# KiCad board ciaa_acc.kicad_pcb (continued)
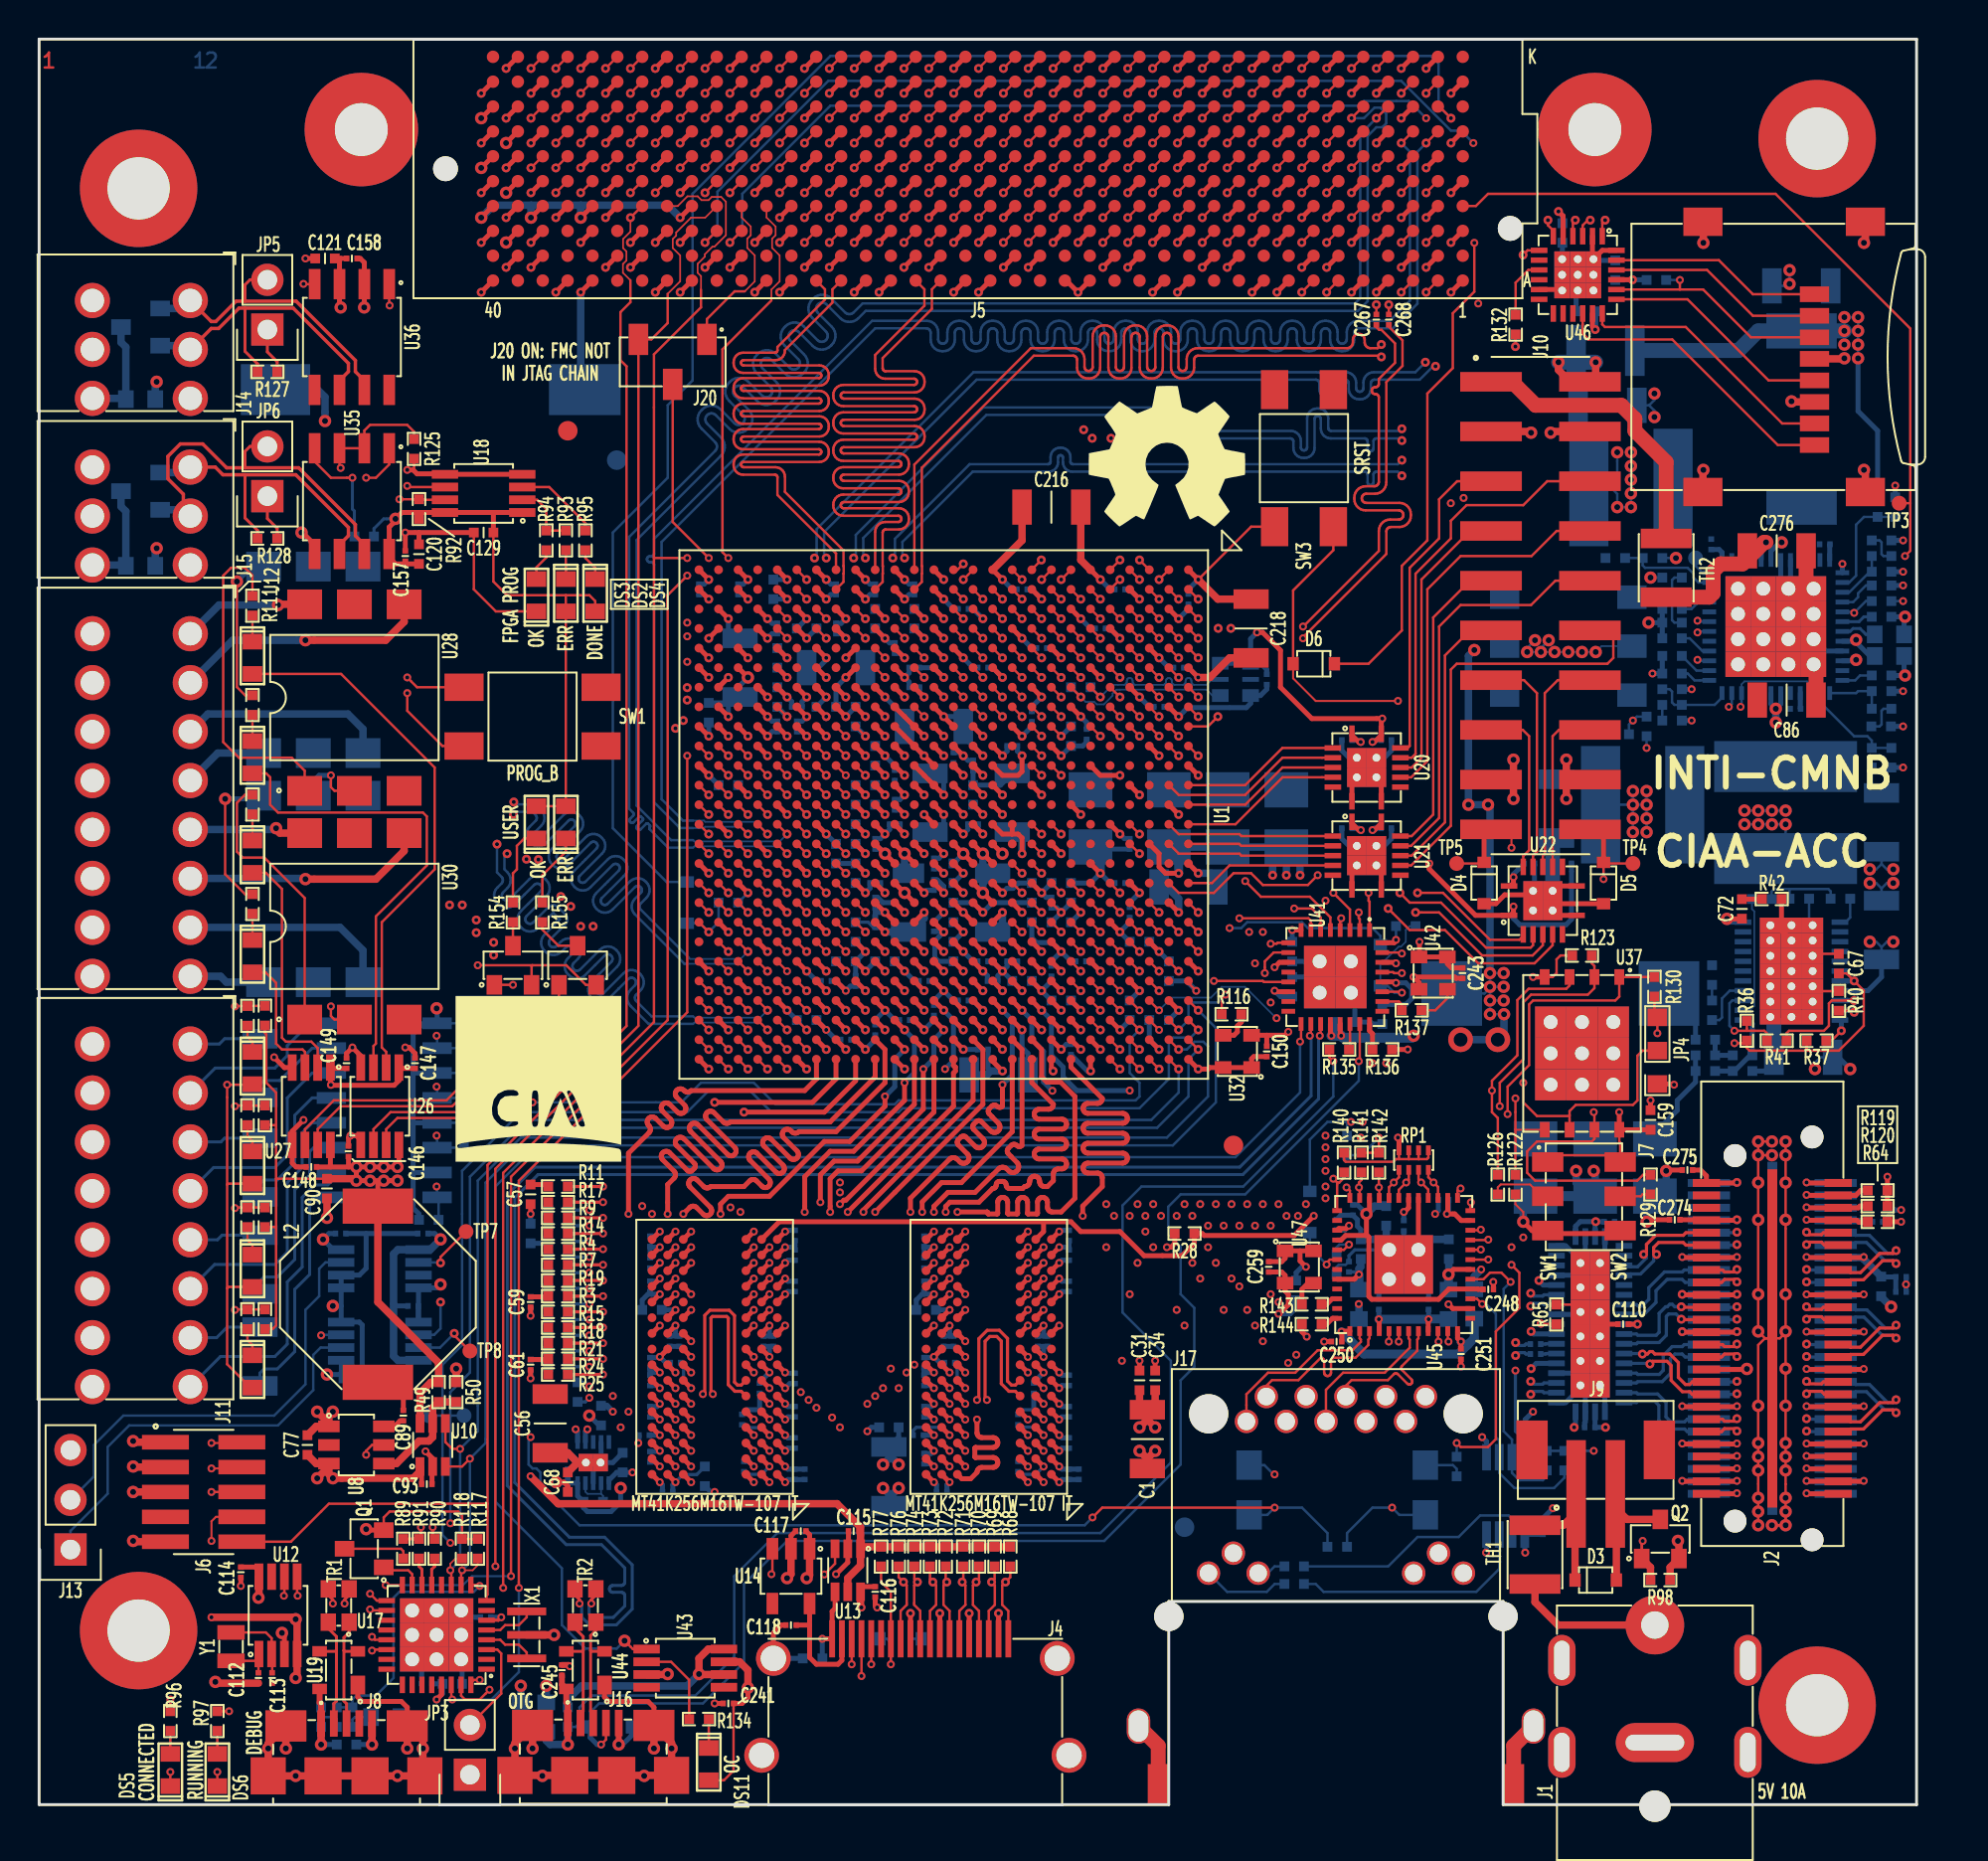
[diagram p0: board, top side]
## Routing (per net, layer and track width the routed paths; a pad name or vN(x,y) marks a point on that pad's centre or on a via; arc(x,y) is an arc through that point) (continued)
  L5.Sig w0.165: 32.5,29.67 47.1,29.67 ; 32.5,29.67 v1(32.5,29.27) ; 32.5,29.67 29.9,29.67 29.7,29.87 29.7,30.67 v1(28.8,31.57) ; 47.1,29.67 54.5,29.67 v1(54.9,30.07) ; 47.1,29.67 46.5,29.67 v1(46.5,29.27)
/Principal/BANK_502/DDR_A9: length 79.2
  TOP_L1.Sig w0.254: U3.R3 v1(36.5,28.47) ; U2.R3 v1(50.5,28.47) ; U1.U20 v2(43.2,43.57)
  L3.Sig w0.165: v2(43.2,43.57) 43.7,43.07 43.7,36.47 43.7,36.46 43.7,36.45 43.69,36.44 43.68,36.43 43.67,36.42 43.66,36.42 43.64,36.42 43.63,36.42 43.62,36.41 43.61,36.4 43.6,36.39 43.6,36.38 43.6,36.37 43.6,36.14 43.6,36.13 43.6,36.12 43.61,36.11 43.62,36.1 43.63,36.09 43.64,36.09 43.65,36.09 44.23,36.09 44.27,36.09 44.31,36.07 44.34,36.05 44.36,36.03 44.38,36 44.4,35.96 44.4,35.92 44.4,35.89 44.38,35.85 44.36,35.82 44.34,35.8 44.31,35.78 44.27,35.76 44.23,35.76 42.82,35.76 42.78,35.76 42.74,35.74 42.71,35.72 42.69,35.7 42.67,35.67 42.65,35.63 42.65,35.59 42.65,35.56 42.67,35.52 42.69,35.49 42.71,35.47 42.74,35.45 42.78,35.43 42.82,35.43 44.23,35.43 44.27,35.43 44.31,35.41 44.34,35.39 44.36,35.37 44.38,35.34 44.4,35.3 44.4,35.26 44.4,35.23 44.38,35.19 44.36,35.16 44.34,35.14 44.31,35.12 44.27,35.1 44.23,35.1 42.82,35.1 42.78,35.1 42.74,35.08 42.71,35.06 42.69,35.04 42.67,35.01 42.65,34.97 42.65,34.93 42.65,34.9 42.67,34.86 42.69,34.83 42.71,34.81 42.74,34.79 42.78,34.77 42.82,34.77 44.23,34.77 44.27,34.76 44.31,34.75 44.34,34.73 44.36,34.71 44.38,34.68 44.4,34.64 44.4,34.6 44.4,34.57 44.38,34.53 44.36,34.5 44.34,34.47 44.31,34.46 44.27,34.44 44.23,34.44 42.82,34.44 42.78,34.43 42.74,34.42 42.71,34.4 42.69,34.38 42.67,34.35 42.65,34.31 42.65,34.27 42.65,34.24 42.67,34.2 42.69,34.17 42.71,34.14 42.74,34.12 42.78,34.11 42.82,34.11 44.23,34.11 44.27,34.1 44.31,34.09 44.34,34.07 44.36,34.05 44.38,34.02 44.4,33.98 44.4,33.94 44.4,33.91 44.38,33.87 44.36,33.84 44.34,33.81 44.31,33.79 44.27,33.78 44.23,33.78 42.82,33.78 42.78,33.77 42.74,33.76 42.71,33.74 42.69,33.72 42.67,33.68 42.65,33.65 42.65,33.61 42.65,33.58 42.67,33.54 42.69,33.51 42.71,33.48 42.74,33.46 42.78,33.45 42.82,33.45 44.23,33.45 44.27,33.44 44.31,33.43 44.34,33.41 44.36,33.39 44.38,33.35 44.4,33.32 44.4,33.28 44.4,33.25 44.38,33.21 44.36,33.18 44.34,33.15 44.31,33.13 44.27,33.12 44.23,33.12 42.82,33.12 42.78,33.11 42.74,33.1 42.71,33.08 42.69,33.06 42.67,33.02 42.65,32.99 42.65,32.95 42.65,32.92 42.67,32.88 42.69,32.85 42.71,32.82 42.74,32.8 42.78,32.79 42.82,32.79 44.23,32.79 44.27,32.78 44.31,32.77 44.34,32.75 44.36,32.73 44.38,32.69 44.4,32.66 44.4,32.62 44.4,32.59 44.38,32.55 44.36,32.52 44.34,32.49 44.31,32.47 44.27,32.46 44.23,32.46 42.82,32.46 42.78,32.45 42.74,32.44 42.71,32.42 42.69,32.4 42.67,32.36 42.65,32.33 42.65,32.29 42.65,32.26 42.67,32.22 42.69,32.19 42.71,32.16 42.74,32.14 42.78,32.13 42.82,32.13 44.23,32.13 44.27,32.12 44.31,32.11 44.34,32.09 44.36,32.07 44.38,32.03 44.4,32 44.4,31.96 44.4,31.93 44.38,31.89 44.36,31.86 44.34,31.83 44.31,31.81 44.27,31.8 44.23,31.8 42.82,31.8 42.78,31.79 42.74,31.78 42.71,31.76 42.69,31.74 42.67,31.7 42.65,31.67 42.65,31.63 42.65,31.6 42.67,31.56 42.69,31.53 42.71,31.5 42.74,31.48 42.78,31.47 42.82,31.47 43.53,31.47 43.57,31.46 43.61,31.45 43.64,31.43 43.66,31.4 43.68,31.37 43.7,31.34 43.7,31.3 43.7,31.07 44.1,30.67 v1(54.5,30.67)
  L8.Sig w0.165: 50.9,28.07 36.5,28.07 ; 50.9,28.07 50.5,28.07 v1(50.5,28.47) ; 50.9,28.07 54.1,28.07 v1(54.5,28.47) ; 36.5,28.07 v1(36.5,28.47) ; 36.5,28.07 29.9,28.07 29.8,27.97 v1(28.1,27.97)
  L10.Sig w0.165: v1(54.5,30.67) v1(54.5,28.47)
  BOT_L12.Sig w0.165: R12.2 v1(28.1,27.97)
/Principal/BANK_502/DDR_A10: length 76.5
  TOP_L1.Sig w0.254: U3.L7 v1(33.3,25.27) ; U2.L7 v1(47.3,25.27) ; U1.M22 v2(48.2,41.57)
  L3.Sig w0.165: 47.8,24.87 47.3,24.87 v1(47.3,25.27) ; 47.8,24.87 33.3,24.87 ; 47.8,24.87 60.1,24.87 v1(60.5,25.27) ; 33.3,24.87 v1(33.3,25.27) ; 33.3,24.87 30.3,24.87 29.4,23.97 v1(28.1,23.97)
  L8.Sig w0.165: v1(60.5,29.57) 60.5,34.97 60.2,35.27 59.5,35.27 59.46,35.28 59.41,35.29 59.38,35.31 59.34,35.35 59.32,35.38 59.31,35.43 59.3,35.47 59.3,35.55 59.29,35.59 59.28,35.63 59.26,35.67 59.22,35.7 59.19,35.73 59.14,35.74 59.1,35.75 59.06,35.74 59.01,35.73 58.98,35.7 58.94,35.67 58.92,35.63 58.91,35.59 58.9,35.55 58.9,34.99 58.89,34.95 58.88,34.91 58.86,34.87 58.82,34.84 58.79,34.81 58.74,34.8 58.7,34.79 58.66,34.8 58.61,34.81 58.58,34.84 58.54,34.87 58.52,34.91 58.51,34.95 58.5,34.99 58.5,35.55 58.49,35.59 58.48,35.63 58.46,35.67 58.42,35.7 58.39,35.73 58.34,35.74 58.3,35.75 58.26,35.74 58.21,35.73 58.18,35.7 58.14,35.67 58.12,35.63 58.11,35.59 58.1,35.55 58.1,34.99 58.09,34.95 58.08,34.91 58.06,34.87 58.02,34.84 57.99,34.81 57.94,34.8 57.9,34.79 57.86,34.8 57.81,34.81 57.78,34.84 57.74,34.87 57.72,34.91 57.71,34.95 57.7,34.99 57.7,35.55 57.69,35.59 57.68,35.63 57.66,35.67 57.62,35.7 57.59,35.73 57.54,35.74 57.5,35.75 57.46,35.74 57.41,35.73 57.38,35.7 57.34,35.67 57.32,35.63 57.31,35.59 57.3,35.55 57.3,35.08 57.3,35.04 57.28,35 57.26,34.96 57.23,34.93 57.19,34.91 57.15,34.9 57.11,34.89 57.09,34.89 57.05,34.9 57.01,34.91 56.97,34.93 56.94,34.96 56.92,35 56.9,35.04 56.9,35.08 56.9,35.55 56.89,35.59 56.88,35.63 56.86,35.67 56.82,35.7 56.79,35.73 56.74,35.74 56.7,35.75 56.66,35.74 56.61,35.73 56.58,35.7 56.54,35.67 56.52,35.63 56.51,35.59 56.5,35.55 56.5,35.47 56.49,35.43 56.48,35.38 56.46,35.35 56.42,35.31 56.39,35.29 56.34,35.28 56.3,35.27 56.26,35.28 56.21,35.29 56.18,35.31 56.14,35.35 56.12,35.38 56.11,35.43 56.1,35.47 56.1,35.55 56.09,35.59 56.08,35.63 56.06,35.67 56.02,35.7 55.99,35.73 55.94,35.74 55.9,35.75 55.86,35.74 55.81,35.73 55.78,35.7 55.74,35.67 55.72,35.63 55.71,35.59 55.7,35.55 55.7,35.47 55.69,35.43 55.68,35.38 55.66,35.35 55.62,35.31 55.59,35.29 55.54,35.28 55.5,35.27 55.46,35.28 55.41,35.29 55.38,35.31 55.34,35.35 55.32,35.38 55.31,35.43 55.3,35.47 55.3,35.55 55.29,35.59 55.28,35.63 55.26,35.67 55.22,35.7 55.19,35.73 55.14,35.74 55.1,35.75 55.06,35.74 55.01,35.73 54.98,35.7 54.94,35.67 54.92,35.63 54.91,35.59 54.9,35.55 54.9,35.47 54.89,35.43 54.88,35.38 54.86,35.35 54.82,35.31 54.79,35.29 54.74,35.28 54.7,35.27 54.66,35.28 54.61,35.29 54.58,35.31 54.54,35.35 54.52,35.38 54.51,35.43 54.5,35.47 54.5,35.55 54.49,35.59 54.48,35.63 54.46,35.67 54.42,35.7 54.39,35.73 54.34,35.74 54.3,35.75 54.26,35.74 54.21,35.73 54.18,35.7 54.14,35.67 54.12,35.63 54.11,35.59 54.1,35.55 54.1,35.47 54.09,35.43 54.08,35.38 54.06,35.35 54.02,35.31 53.99,35.29 53.94,35.28 53.9,35.27 53.86,35.28 53.81,35.29 53.78,35.31 53.74,35.35 53.72,35.38 53.71,35.43 53.7,35.47 53.7,35.55 53.69,35.59 53.68,35.63 53.66,35.67 53.62,35.7 53.59,35.73 53.54,35.74 53.5,35.75 53.46,35.74 53.41,35.73 53.38,35.7 53.34,35.67 53.32,35.63 53.31,35.59 53.3,35.55 53.3,35.47 53.29,35.43 53.28,35.38 53.26,35.35 53.22,35.31 53.19,35.29 53.14,35.28 53.1,35.27 53.06,35.28 53.01,35.29 52.98,35.31 52.94,35.35 52.92,35.38 52.91,35.43 52.9,35.47 52.9,35.55 52.89,35.59 52.88,35.63 52.86,35.67 52.82,35.7 52.79,35.73 52.74,35.74 52.7,35.75 52.66,35.74 52.61,35.73 52.58,35.7 52.54,35.67 52.52,35.63 52.51,35.59 52.5,35.55 52.5,35.47 52.49,35.43 52.48,35.38 52.46,35.35 52.42,35.31 52.39,35.29 52.34,35.28 52.3,35.27 52.26,35.28 52.21,35.29 52.18,35.31 52.14,35.35 52.12,35.38 52.11,35.43 52.1,35.47 52.1,35.55 52.09,35.59 52.08,35.63 52.06,35.67 52.02,35.7 51.99,35.73 51.94,35.74 51.9,35.75 51.86,35.74 51.81,35.73 51.78,35.7 51.74,35.67 51.72,35.63 51.71,35.59 51.7,35.55 51.7,35.47 51.69,35.43 51.68,35.38 51.66,35.35 51.62,35.31 51.59,35.29 51.54,35.28 51.5,35.27 51.46,35.28 51.41,35.29 51.38,35.31 51.34,35.35 51.32,35.38 51.31,35.43 51.3,35.47 51.3,35.55 51.29,35.59 51.28,35.63 51.26,35.67 51.22,35.7 51.19,35.73 51.14,35.74 51.1,35.75 51.06,35.74 51.01,35.73 50.98,35.7 50.94,35.67 50.92,35.63 50.91,35.59 50.9,35.55 50.9,35.47 50.89,35.43 50.88,35.38 50.86,35.35 50.82,35.31 50.79,35.29 50.74,35.28 50.7,35.27 50.66,35.28 50.61,35.29 50.58,35.31 50.54,35.35 50.52,35.38 50.51,35.43 50.5,35.47 50.5,35.55 50.49,35.59 50.48,35.63 50.46,35.67 50.42,35.7 50.39,35.73 50.34,35.74 50.3,35.75 50.26,35.74 50.21,35.73 50.18,35.7 50.14,35.67 50.12,35.63 50.11,35.59 50.1,35.55 50.1,35.47 50.09,35.43 50.08,35.38 50.06,35.35 50.02,35.31 49.99,35.29 49.94,35.28 49.9,35.27 49.86,35.28 49.81,35.29 49.78,35.31 49.74,35.35 49.72,35.38 49.71,35.43 49.7,35.47 49.7,35.95 49.69,35.99 49.68,36.03 49.66,36.07 49.62,36.1 49.59,36.13 49.54,36.14 49.5,36.15 49.46,36.14 49.41,36.13 49.38,36.1 49.34,36.07 49.32,36.03 49.31,35.99 49.3,35.95 49.3,35.47 49.29,35.43 49.28,35.38 49.26,35.35 49.22,35.31 49.19,35.29 49.14,35.28 49.1,35.27 48.7,35.67 48.7,41.07 v2(48.2,41.57)
  L10.Sig w0.165: v1(60.5,29.57) v1(60.5,25.27)
  BOT_L12.Sig w0.165: R13.2 v1(28.1,23.97)
/Principal/BANK_502/DDR_A11: length 76.2
  TOP_L1.Sig w0.165: v1(28.8,29.17) R14.2
  TOP_L1.Sig w0.254: U3.R7 v1(33.3,28.47) ; U1.H21 v2(52.2,42.57) ; U2.R7 v1(47.3,28.47)
  L3.Sig w0.165: 47.9,28.87 33.3,28.87 ; 47.9,28.87 47.3,28.87 v1(47.3,28.47) ; 47.9,28.87 57.3,28.87 57.7,29.27 57.7,30.67 58.2,31.17 62.4,31.17 63.3,32.07 63.3,32.57 63.3,32.6 63.28,32.64 63.26,32.67 63.24,32.7 63.21,32.72 63.17,32.73 63.13,32.73 62.66,32.73 62.62,32.74 62.59,32.75 62.55,32.77 62.53,32.8 62.51,32.83 62.5,32.86 62.49,32.9 62.5,32.93 62.51,32.97 62.53,33 62.55,33.03 62.59,33.05 62.62,33.06 62.66,33.06 63.94,33.06 63.98,33.07 64.01,33.08 64.05,33.1 64.07,33.13 64.09,33.16 64.1,33.19 64.11,33.23 64.1,33.27 64.09,33.3 64.07,33.33 64.05,33.36 64.01,33.38 63.98,33.39 63.94,33.39 62.66,33.39 62.62,33.4 62.59,33.41 62.55,33.43 62.53,33.46 62.51,33.49 62.5,33.52 62.49,33.56 62.5,33.6 62.51,33.63 62.53,33.66 62.55,33.69 62.59,33.71 62.62,33.72 62.66,33.72 63.94,33.72 63.98,33.73 64.01,33.74 64.05,33.76 64.07,33.79 64.09,33.82 64.1,33.85 64.11,33.89 64.1,33.93 64.09,33.96 64.07,33.99 64.05,34.02 64.01,34.04 63.98,34.05 63.94,34.05 62.66,34.05 62.62,34.06 62.59,34.07 62.55,34.09 62.53,34.12 62.51,34.15 62.5,34.18 62.49,34.22 62.5,34.26 62.51,34.29 62.53,34.32 62.55,34.35 62.59,34.37 62.62,34.38 62.66,34.38 63.94,34.38 63.98,34.39 64.01,34.4 64.05,34.42 64.07,34.45 64.09,34.48 64.1,34.51 64.11,34.55 64.1,34.59 64.09,34.62 64.07,34.65 64.05,34.68 64.01,34.7 63.98,34.71 63.94,34.71 62.66,34.71 62.62,34.72 62.59,34.73 62.55,34.75 62.53,34.78 62.51,34.81 62.5,34.84 62.49,34.88 62.5,34.92 62.51,34.95 62.53,34.98 62.55,35.01 62.59,35.03 62.62,35.04 62.66,35.04 63.94,35.04 63.98,35.05 64.01,35.06 64.05,35.08 64.07,35.11 64.09,35.14 64.1,35.17 64.11,35.21 64.1,35.25 64.09,35.28 64.07,35.31 64.05,35.34 64.01,35.36 63.98,35.37 63.94,35.37 62.66,35.37 62.62,35.38 62.59,35.39 62.55,35.41 62.53,35.44 62.51,35.47 62.5,35.5 62.49,35.54 62.5,35.58 62.51,35.61 62.53,35.64 62.55,35.67 62.59,35.69 62.62,35.7 62.66,35.7 63.13,35.7 63.17,35.71 63.21,35.72 63.24,35.74 63.26,35.77 63.28,35.8 63.3,35.83 63.3,35.87 63.3,35.97 62.4,36.87 52.5,36.87 52.3,37.07 52.3,37.77 51.7,38.37 51.7,42.07 v2(52.2,42.57) ; 33.3,28.87 29.9,28.87 29.6,29.17 v1(28.8,29.17) ; 33.3,28.87 v1(33.3,28.47)
/Principal/BANK_502/DDR_A12: length 76.4
  TOP_L1.Sig w0.165: R15.2 v1(28.8,25.17)
  TOP_L1.Sig w0.254: U1.P20 v2(46.2,43.57) ; U2.N7 v1(47.3,26.07) ; U3.N7 v1(33.3,26.07)
  L3.Sig w0.165: 33.3,25.67 30.1,25.67 29.6,25.17 v1(28.8,25.17) ; 33.3,25.67 47.9,25.67 ; 33.3,25.67 v1(33.3,26.07) ; 47.9,25.67 47.3,25.67 v1(47.3,26.07) ; 47.9,25.67 52.9,25.67 52.94,25.68 52.99,25.69 53.02,25.71 53.06,25.75 53.08,25.78 53.09,25.83 53.1,25.87 53.1,25.94 53.11,25.98 53.12,26.02 53.14,26.06 53.18,26.09 53.21,26.12 53.26,26.13 53.3,26.14 53.34,26.13 53.39,26.12 53.42,26.09 53.46,26.06 53.48,26.02 53.49,25.98 53.5,25.94 53.5,25.4 53.51,25.36 53.52,25.32 53.54,25.28 53.58,25.25 53.61,25.22 53.66,25.21 53.7,25.2 53.74,25.21 53.79,25.22 53.82,25.25 53.86,25.28 53.88,25.32 53.89,25.36 53.9,25.4 53.9,25.94 53.91,25.98 53.92,26.02 53.94,26.06 53.98,26.09 54.01,26.12 54.06,26.13 54.1,26.14 54.14,26.13 54.19,26.12 54.22,26.09 54.26,26.06 54.28,26.02 54.29,25.98 54.3,25.94 54.3,25.4 54.31,25.36 54.32,25.32 54.34,25.28 54.38,25.25 54.41,25.22 54.46,25.21 54.5,25.2 54.54,25.21 54.59,25.22 54.62,25.25 54.66,25.28 54.68,25.32 54.69,25.36 54.7,25.4 54.7,25.94 54.71,25.98 54.72,26.02 54.74,26.06 54.78,26.09 54.81,26.12 54.86,26.13 54.9,26.14 54.94,26.13 54.99,26.12 55.02,26.09 55.06,26.06 55.08,26.02 55.09,25.98 55.1,25.94 55.1,25.87 55.11,25.83 55.12,25.78 55.14,25.75 55.18,25.71 55.21,25.69 55.26,25.68 55.3,25.67 v1(55.7,26.07) ; v1(55.7,30.07) 55.7,32.68 55.51,32.87 55.05,32.87 55.03,32.87 55.02,32.86 55,32.85 54.99,32.84 54.98,32.83 54.98,32.81 54.97,32.78 54.97,32.76 54.96,32.75 54.95,32.74 54.93,32.73 54.92,32.72 54.9,32.72 54.7,32.72 54.68,32.72 54.67,32.73 54.65,32.74 54.64,32.75 54.63,32.76 54.63,32.78 54.62,32.8 54.62,33.2 54.62,33.23 54.61,33.27 54.59,33.3 54.56,33.33 54.53,33.35 54.49,33.37 54.45,33.37 54.41,33.37 54.37,33.35 54.34,33.33 54.31,33.3 54.29,33.27 54.28,33.23 54.28,33.2 54.28,33.05 54.27,33.01 54.26,32.97 54.24,32.94 54.21,32.91 54.18,32.89 54.14,32.87 54.1,32.87 54.06,32.87 54.02,32.89 53.99,32.91 53.96,32.94 53.94,32.97 53.93,33.01 53.92,33.05 53.92,33.2 53.92,33.23 53.91,33.27 53.89,33.3 53.86,33.33 53.83,33.35 53.79,33.37 53.75,33.37 53.71,33.37 53.67,33.35 53.64,33.33 53.61,33.3 53.59,33.27 53.58,33.23 53.58,33.2 53.58,33.05 53.57,33.01 53.56,32.97 53.54,32.94 53.51,32.91 53.48,32.89 53.44,32.87 53.4,32.87 53.36,32.87 53.32,32.89 53.29,32.91 53.26,32.94 53.24,32.97 53.23,33.01 53.22,33.05 53.22,33.2 53.22,33.23 53.21,33.27 53.19,33.3 53.16,33.33 53.13,33.35 53.09,33.37 53.05,33.37 53.01,33.37 52.97,33.35 52.94,33.33 52.91,33.3 52.89,33.27 52.88,33.23 52.88,33.2 52.88,33.05 52.87,33.01 52.86,32.97 52.84,32.94 52.81,32.91 52.78,32.89 52.74,32.87 52.7,32.87 52.66,32.87 52.62,32.89 52.59,32.91 52.56,32.94 52.54,32.97 52.53,33.01 52.53,33.05 52.53,33.09 52.52,33.13 52.51,33.17 52.49,33.2 52.46,33.23 52.43,33.25 52.39,33.27 52.35,33.27 52.31,33.27 52.27,33.25 52.24,33.23 52.21,33.2 52.19,33.17 52.18,33.13 52.17,33.09 52.17,33.05 52.17,33.01 52.16,32.97 52.14,32.94 52.11,32.91 52.08,32.89 52.04,32.87 52,32.87 51.96,32.87 51.92,32.89 51.89,32.91 51.86,32.94 51.84,32.97 51.83,33.01 51.83,33.05 51.83,33.09 51.82,33.13 51.81,33.17 51.79,33.2 51.76,33.23 51.73,33.25 51.69,33.27 51.65,33.27 51.61,33.27 51.57,33.25 51.54,33.23 51.51,33.2 51.49,33.17 51.48,33.13 51.47,33.09 51.47,33.05 51.47,33.01 51.46,32.97 51.44,32.94 51.41,32.91 51.38,32.89 51.34,32.87 51.3,32.87 51.26,32.87 51.22,32.89 51.19,32.91 51.16,32.94 51.14,32.97 51.13,33.01 51.12,33.05 51.12,33.09 51.12,33.13 51.11,33.17 51.09,33.2 51.06,33.23 51.03,33.25 50.99,33.27 50.95,33.27 50.91,33.27 50.87,33.25 50.84,33.23 50.81,33.2 50.79,33.17 50.78,33.13 50.78,33.09 50.78,33.05 50.77,33.01 50.76,32.97 50.74,32.94 50.71,32.91 50.68,32.89 50.64,32.87 50.6,32.87 50.56,32.87 50.52,32.89 50.49,32.91 50.46,32.94 50.44,32.97 50.43,33.01 50.42,33.05 50.42,33.09 50.42,33.13 50.41,33.17 50.39,33.2 50.36,33.23 50.33,33.25 50.29,33.27 50.25,33.27 50.21,33.27 50.17,33.25 50.14,33.23 50.11,33.2 50.09,33.17 50.08,33.13 50.08,33.09 50.08,32.82 50.07,32.81 50.07,32.8 50.06,32.79 50.06,32.78 50.05,32.77 50.04,32.77 50.03,32.77 49.78,32.77 49.76,32.77 49.75,32.77 49.74,32.78 49.74,32.79 49.73,32.8 49.73,32.81 49.72,32.82 49.72,33.09 49.72,33.13 49.71,33.17 49.69,33.2 49.66,33.23 49.63,33.25 49.59,33.27 49.55,33.27 49.51,33.27 49.47,33.25 49.44,33.23 49.41,33.2 49.39,33.17 49.38,33.13 49.38,33.09 49.38,33.05 49.37,33.01 49.36,32.97 49.34,32.94 49.31,32.91 49.28,32.89 49.24,32.87 49.2,32.87 49.16,32.87 49.12,32.89 49.09,32.91 49.06,32.94 49.04,32.97 49.03,33.01 49.03,33.05 49.03,33.09 49.02,33.13 49.01,33.17 48.99,33.2 48.96,33.23 48.93,33.25 48.89,33.27 48.85,33.27 48.81,33.27 48.77,33.25 48.74,33.23 48.71,33.2 48.69,33.17 48.68,33.13 48.67,33.09 48.67,33.05 48.67,33.01 48.66,32.97 48.64,32.94 48.61,32.91 48.58,32.89 48.54,32.87 48.5,32.87 48.46,32.87 48.42,32.89 48.39,32.91 48.36,32.94 48.34,32.97 48.33,33.01 48.33,33.05 48.33,33.09 48.32,33.13 48.31,33.17 48.29,33.2 48.26,33.23 48.23,33.25 48.19,33.27 48.15,33.27 48.11,33.27 48.07,33.25 48.04,33.23 48.01,33.2 47.99,33.17 47.98,33.13 47.97,33.09 47.97,33.05 47.97,33.01 47.96,32.97 47.94,32.94 47.91,32.91 47.88,32.89 47.84,32.87 47.8,32.87 47.76,32.87 47.72,32.89 47.69,32.91 47.66,32.94 47.64,32.97 47.63,33.01 47.62,33.05 47.62,33.64 47.62,33.68 47.61,33.72 47.59,33.75 47.56,33.78 47.53,33.8 47.49,33.82 47.45,33.82 47.41,33.82 47.37,33.8 47.34,33.78 47.31,33.75 47.29,33.72 47.28,33.68 47.28,33.64 47.28,33.05 47.27,33.01 47.26,32.97 47.24,32.94 47.21,32.91 47.18,32.89 47.14,32.87 47.1,32.87 46.7,33.27 46.7,34.17 46.7,34.21 46.72,34.25 46.74,34.28 46.77,34.31 46.8,34.33 46.84,34.34 46.88,34.34 47.22,34.34 47.26,34.35 47.3,34.36 47.33,34.38 47.36,34.41 47.38,34.44 47.4,34.48 47.4,34.52 47.4,34.56 47.38,34.6 47.36,34.63 47.33,34.66 47.3,34.68 47.26,34.69 47.22,34.7 46.88,34.7 46.84,34.7 46.8,34.71 46.77,34.73 46.74,34.76 46.72,34.79 46.7,34.83 46.7,34.87 46.7,34.91 46.72,34.95 46.74,34.98 46.77,35.01 46.8,35.03 46.84,35.04 46.88,35.05 47.22,35.05 47.26,35.05 47.3,35.06 47.33,35.08 47.36,35.11 47.38,35.14 47.4,35.18 47.4,35.22 47.4,35.26 47.38,35.3 47.36,35.33 47.33,35.36 47.3,35.38 47.26,35.39 47.22,35.39 46.88,35.39 46.84,35.4 46.8,35.41 46.77,35.43 46.74,35.46 46.72,35.49 46.7,35.53 46.7,35.57 46.7,35.61 46.72,35.65 46.74,35.68 46.77,35.71 46.8,35.73 46.84,35.74 46.88,35.75 47.22,35.75 47.26,35.75 47.3,35.76 47.33,35.78 47.36,35.81 47.38,35.84 47.4,35.88 47.4,35.92 47.4,35.96 47.38,36 47.36,36.03 47.33,36.06 47.3,36.08 47.26,36.09 47.22,36.09 46.88,36.09 46.84,36.1 46.8,36.11 46.77,36.13 46.74,36.16 46.72,36.19 46.7,36.23 46.7,36.27 46.7,36.31 46.72,36.35 46.74,36.38 46.77,36.41 46.8,36.43 46.84,36.44 46.88,36.45 47.22,36.45 47.26,36.45 47.3,36.46 47.33,36.48 47.36,36.51 47.38,36.54 47.4,36.58 47.4,36.62 47.4,36.66 47.38,36.7 47.36,36.73 47.33,36.76 47.3,36.78 47.26,36.79 47.22,36.8 46.53,36.8 46.49,36.8 46.45,36.81 46.42,36.83 46.39,36.86 46.37,36.89 46.35,36.93 46.35,36.97 46.35,37.01 46.37,37.05 46.39,37.08 46.42,37.11 46.45,37.13 46.49,37.14 46.56,37.15 46.6,37.16 46.63,37.18 46.66,37.21 46.68,37.24 46.7,37.28 46.7,37.36 46.72,37.4 46.74,37.43 46.77,37.46 46.8,37.48 46.84,37.49 46.88,37.5 47.22,37.5 47.26,37.5 47.3,37.51 47.33,37.53 47.36,37.56 47.38,37.59 47.4,37.63 47.4,37.67 47.4,37.71 47.38,37.75 47.36,37.78 47.33,37.81 47.3,37.83 47.26,37.84 47.22,37.84 46.62,37.84 46.61,37.85 46.59,37.85 46.58,37.86 46.57,37.87 46.56,37.89 46.55,37.9 46.55,37.92 46.55,38.12 46.55,38.14 46.56,38.15 46.57,38.17 46.58,38.18 46.59,38.19 46.61,38.19 46.64,38.2 46.66,38.2 46.67,38.21 46.68,38.22 46.69,38.24 46.7,38.25 46.7,38.27 46.7,43.07 v2(46.2,43.57)
  L10.Sig w0.165: v1(55.7,30.07) v1(55.7,26.07)
/Principal/BANK_502/DDR_A13: length 79.5
  TOP_L1.Sig w0.254: U3.T3 v1(36.5,29.27) ; U2.T3 v1(50.5,29.27) ; U1.J20 v2(51.2,43.57)
  L3.Sig w0.165: v1(57.3,30.07) 57.3,31.17 57.8,31.67 59.3,31.67 59.34,31.68 59.39,31.69 59.42,31.71 59.46,31.75 59.48,31.78 59.49,31.83 59.5,31.87 59.5,32.02 59.51,32.06 59.52,32.11 59.54,32.14 59.58,32.18 59.61,32.2 59.66,32.21 59.7,32.22 59.74,32.21 59.79,32.2 59.82,32.18 59.86,32.14 59.88,32.11 59.89,32.06 59.9,32.02 59.9,31.87 59.91,31.83 59.92,31.78 59.94,31.75 59.98,31.71 60.01,31.69 60.06,31.68 60.1,31.67 60.7,32.27 60.7,32.67 60.71,32.71 60.72,32.76 60.74,32.79 60.78,32.83 60.81,32.85 60.86,32.86 60.9,32.87 61.85,32.87 61.89,32.88 61.94,32.89 61.97,32.91 62.01,32.95 62.03,32.98 62.04,33.03 62.05,33.07 62.04,33.11 62.03,33.16 62.01,33.19 61.97,33.23 61.94,33.25 61.89,33.26 61.85,33.27 59.8,33.27 59.76,33.28 59.71,33.29 59.68,33.31 59.64,33.35 59.62,33.38 59.61,33.43 59.6,33.47 59.61,33.51 59.62,33.56 59.64,33.59 59.68,33.63 59.71,33.65 59.76,33.66 59.8,33.67 61.85,33.67 61.89,33.68 61.94,33.69 61.97,33.71 62.01,33.75 62.03,33.78 62.04,33.83 62.05,33.87 62.04,33.91 62.03,33.96 62.01,33.99 61.97,34.03 61.94,34.05 61.89,34.06 61.85,34.07 60.9,34.07 60.86,34.08 60.81,34.09 60.78,34.11 60.74,34.15 60.72,34.18 60.71,34.23 60.7,34.27 60.71,34.31 60.72,34.36 60.74,34.39 60.78,34.43 60.81,34.45 60.86,34.46 60.9,34.47 61.85,34.47 61.89,34.48 61.94,34.49 61.97,34.51 62.01,34.55 62.03,34.58 62.04,34.63 62.05,34.67 62.04,34.71 62.03,34.76 62.01,34.79 61.97,34.83 61.94,34.85 61.89,34.86 61.85,34.87 59.8,34.87 59.76,34.88 59.71,34.89 59.68,34.91 59.64,34.95 59.62,34.98 59.61,35.03 59.6,35.07 59.61,35.11 59.62,35.16 59.64,35.19 59.68,35.23 59.71,35.25 59.76,35.26 59.8,35.27 60.5,35.27 60.54,35.28 60.59,35.29 60.62,35.31 60.66,35.35 60.68,35.38 60.69,35.43 60.7,35.47 60.1,36.07 59.7,36.07 59.66,36.08 59.61,36.09 59.58,36.11 59.54,36.15 59.52,36.18 59.51,36.23 59.5,36.27 59.5,36.37 59.49,36.41 59.48,36.46 59.46,36.49 59.42,36.53 59.39,36.55 59.34,36.56 59.3,36.57 59.26,36.56 59.21,36.55 59.18,36.53 59.14,36.49 59.12,36.46 59.11,36.41 59.1,36.37 59.1,35.77 59.09,35.73 59.08,35.68 59.06,35.65 59.02,35.61 58.99,35.59 58.94,35.58 58.9,35.57 58.86,35.58 58.81,35.59 58.78,35.61 58.74,35.65 58.72,35.68 58.71,35.73 58.7,35.77 58.7,36.37 58.69,36.41 58.68,36.46 58.66,36.49 58.62,36.53 58.59,36.55 58.54,36.56 58.5,36.57 58.46,36.56 58.41,36.55 58.38,36.53 58.34,36.49 58.32,36.46 58.31,36.41 58.3,36.37 58.3,36.02 58.3,36.01 58.3,36 58.29,35.99 58.28,35.98 58.27,35.97 58.26,35.97 58.25,35.97 57.95,35.97 57.94,35.97 57.93,35.97 57.92,35.98 57.91,35.99 57.9,36 57.9,36.01 57.9,36.02 57.9,36.37 57.89,36.41 57.88,36.46 57.86,36.49 57.82,36.53 57.79,36.55 57.74,36.56 57.7,36.57 57.66,36.56 57.61,36.55 57.58,36.53 57.54,36.49 57.52,36.46 57.51,36.41 57.5,36.37 57.5,36.02 57.5,36.01 57.5,36 57.49,35.99 57.48,35.98 57.47,35.97 57.46,35.97 57.45,35.97 57.15,35.97 57.14,35.97 57.13,35.97 57.12,35.98 57.11,35.99 57.1,36 57.1,36.01 57.1,36.02 57.1,36.37 57.09,36.41 57.08,36.46 57.06,36.49 57.02,36.53 56.99,36.55 56.94,36.56 56.9,36.57 56.86,36.56 56.81,36.55 56.78,36.53 56.74,36.49 56.72,36.46 56.71,36.41 56.7,36.37 56.7,36.02 56.7,36.01 56.7,36 56.69,35.99 56.68,35.98 56.67,35.97 56.66,35.97 56.65,35.97 56.35,35.97 56.34,35.97 56.33,35.97 56.32,35.98 56.31,35.99 56.3,36 56.3,36.01 56.3,36.03 56.3,36.04 56.29,36.05 56.28,36.06 56.27,36.07 56.26,36.07 56.25,36.07 55.95,36.07 55.94,36.07 55.93,36.07 55.92,36.06 55.91,36.05 55.9,36.04 55.9,36.03 55.9,36.01 55.9,36 55.89,35.99 55.88,35.98 55.87,35.97 55.86,35.97 55.85,35.97 55.55,35.97 55.54,35.97 55.53,35.97 55.52,35.98 55.51,35.99 55.5,36 55.5,36.01 55.5,36.03 55.5,36.04 55.49,36.05 55.48,36.06 55.47,36.07 55.46,36.07 55.45,36.07 55.15,36.07 55.14,36.07 55.13,36.07 55.12,36.06 55.11,36.05 55.1,36.04 55.1,36.03 55.1,36.01 55.1,36 55.09,35.99 55.08,35.98 55.07,35.97 55.06,35.97 55.05,35.97 54.75,35.97 54.74,35.97 54.73,35.97 54.72,35.98 54.71,35.99 54.7,36 54.7,36.01 54.7,36.02 54.7,36.37 54.69,36.41 54.68,36.46 54.66,36.49 54.62,36.53 54.59,36.55 54.54,36.56 54.5,36.57 54.46,36.56 54.41,36.55 54.38,36.53 54.34,36.49 54.32,36.46 54.31,36.41 54.3,36.37 54.3,36.02 54.3,36.01 54.3,36 54.29,35.99 54.28,35.98 54.27,35.97 54.26,35.97 54.25,35.97 53.95,35.97 53.94,35.97 53.93,35.97 53.92,35.98 53.91,35.99 53.9,36 53.9,36.01 53.9,36.02 53.9,36.37 53.89,36.41 53.88,36.46 53.86,36.49 53.82,36.53 53.79,36.55 53.74,36.56 53.7,36.57 53.66,36.56 53.61,36.55 53.58,36.53 53.54,36.49 53.52,36.46 53.51,36.41 53.5,36.37 53.5,36.02 53.5,36.01 53.5,36 53.49,35.99 53.48,35.98 53.47,35.97 53.46,35.97 53.45,35.97 53.15,35.97 53.14,35.97 53.13,35.97 53.12,35.98 53.11,35.99 53.1,36 53.1,36.01 53.1,36.02 53.1,36.37 53.09,36.41 53.08,36.46 53.06,36.49 53.02,36.53 52.99,36.55 52.94,36.56 52.9,36.57 52.86,36.56 52.81,36.55 52.78,36.53 52.74,36.49 52.72,36.46 52.71,36.41 52.7,36.37 52.7,36.02 52.7,36.01 52.7,36 52.69,35.99 52.68,35.98 52.67,35.97 52.66,35.97 52.65,35.97 52.35,35.97 52.34,35.97 52.33,35.97 52.32,35.98 52.31,35.99 52.3,36 52.3,36.01 52.3,36.03 52.3,36.04 52.29,36.05 52.28,36.06 52.27,36.07 52.26,36.07 52.25,36.07 51.95,36.07 51.94,36.07 51.93,36.07 51.92,36.06 51.91,36.05 51.9,36.04 51.9,36.03 51.9,36.01 51.9,36 51.89,35.99 51.88,35.98 51.87,35.97 51.86,35.97 51.85,35.97 51.55,35.97 51.54,35.97 51.53,35.97 51.52,35.98 51.51,35.99 51.5,36 51.5,36.01 51.5,36.03 51.5,36.04 51.49,36.05 51.48,36.06 51.47,36.07 51.46,36.07 51.45,36.07 51.1,36.07 50.7,36.47 50.7,43.07 v2(51.2,43.57)
  L8.Sig w0.165: 36.5,29.67 50.9,29.67 ; 36.5,29.67 29.9,29.67 29.2,30.37 v1(28.1,30.37) ; 36.5,29.67 v1(36.5,29.27) ; 50.9,29.67 50.5,29.67 v1(50.5,29.27) ; 50.9,29.67 56.9,29.67 v1(57.3,30.07)
  BOT_L12.Sig w0.165: R16.2 v1(28.1,30.37)
